# KiCad board edc-mux-board-fpga-main.kicad_pcb (continued)
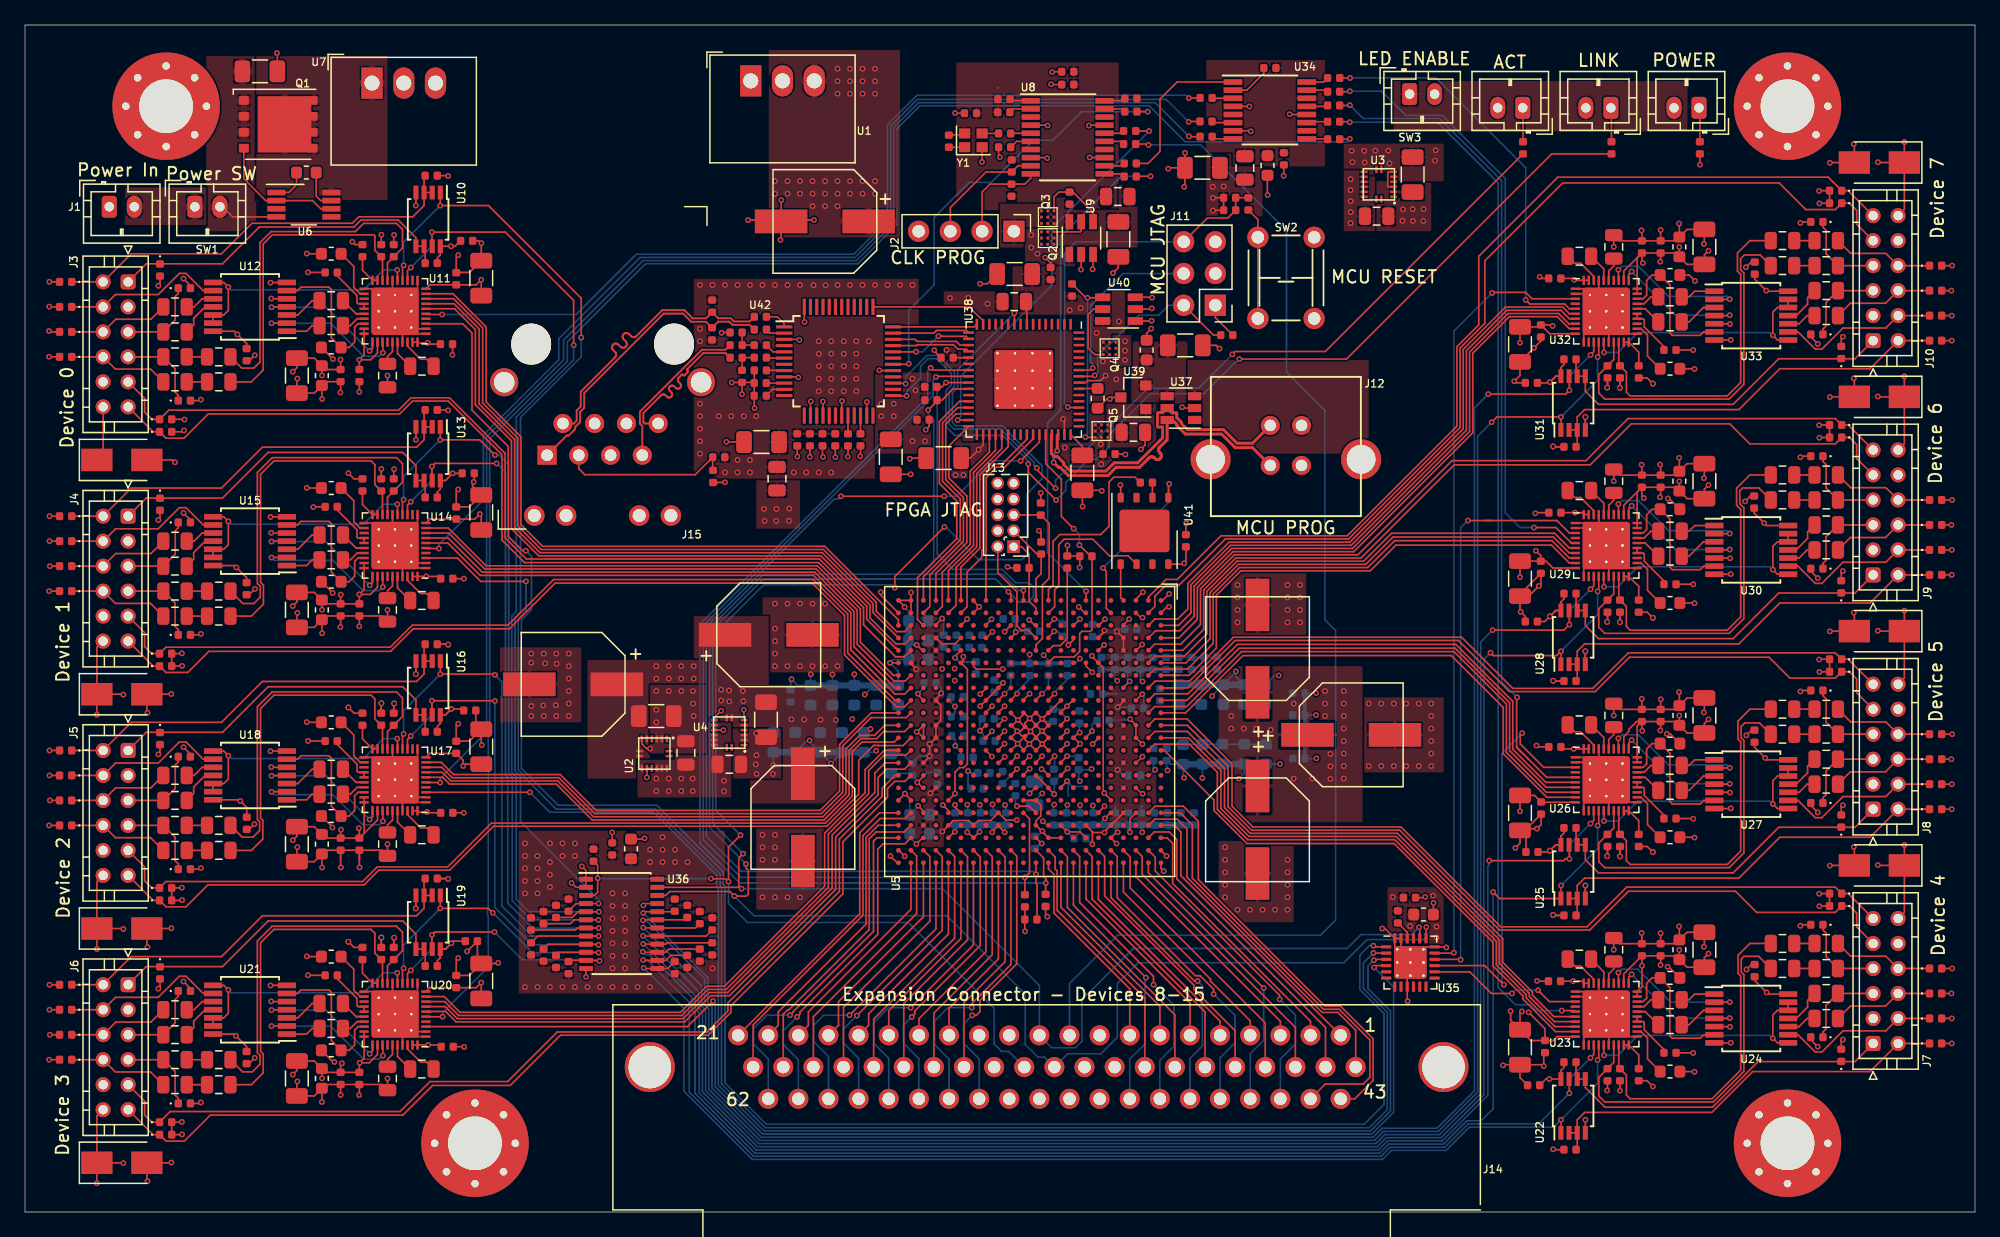
[diagram p0: board, top side]
## Placement (name value [footprint] x y rotation side) (continued)
D44  30pF 30kV  [D_0402_1005Metric]  152.85 13.49 0 top
D45  12V_Vrso  [D_SMA]  148.35 27.74 180 top
D46  30pF 30kV  [D_0402_1005Metric]  144.85 25.49 180 top
D47  30pF 30kV  [D_0402_1005Metric]  143.35 22.99 180 top
D48  30pF 30kV  [D_0402_1005Metric]  143.35 13.99 180 top
D49  30pF 30kV  [D_0402_1005Metric]  144.85 24.49 180 top
D50  30pF 30kV  [D_0402_1005Metric]  145.3 12.54 90 top
D51  30pF 30kV  [D_0402_1005Metric]  152.85 34.24 0 top
D52  30pF 30kV  [D_0402_1005Metric]  152.85 36.24 0 top
D53  30pF 30kV  [D_0402_1005Metric]  152.85 38.24 0 top
D54  30pF 30kV  [D_0402_1005Metric]  152.85 32.24 0 top
D55  12V_Vrso  [D_SMA]  148.35 46.49 180 top
D56  30pF 30kV  [D_0402_1005Metric]  144.85 44.24 180 top
D57  30pF 30kV  [D_0402_1005Metric]  143.35 41.74 180 top
D58  30pF 30kV  [D_0402_1005Metric]  143.35 32.74 180 top
D59  30pF 30kV  [D_0402_1005Metric]  144.85 43.24 180 top
D60  30pF 30kV  [D_0402_1005Metric]  145.3 31.29 90 top
D61  30pF 30kV  [D_0402_1005Metric]  152.85 52.99 0 top
D62  30pF 30kV  [D_0402_1005Metric]  152.85 54.99 0 top
D63  30pF 30kV  [D_0402_1005Metric]  152.85 56.99 0 top
D64  30pF 30kV  [D_0402_1005Metric]  152.85 50.99 0 top
D65  12V_Vrso  [D_SMA]  148.35 65.24 180 top
D66  30pF 30kV  [D_0402_1005Metric]  144.85 62.99 180 top
D67  30pF 30kV  [D_0402_1005Metric]  143.35 60.49 180 top
D68  30pF 30kV  [D_0402_1005Metric]  143.35 51.49 180 top
D69  30pF 30kV  [D_0402_1005Metric]  144.85 61.99 180 top
D70  30pF 30kV  [D_0402_1005Metric]  145.3 50.04 90 top
D71  30pF 30kV  [D_0402_1005Metric]  152.85 71.74 0 top
D72  30pF 30kV  [D_0402_1005Metric]  152.85 73.74 0 top
D73  30pF 30kV  [D_0402_1005Metric]  152.85 75.74 0 top
D74  30pF 30kV  [D_0402_1005Metric]  152.85 69.74 0 top
D75  12V_Vrso  [D_SMA]  148.35 83.99 180 top
D76  30pF 30kV  [D_0402_1005Metric]  144.85 81.74 180 top
D77  30pF 30kV  [D_0402_1005Metric]  143.35 79.24 180 top
D78  30pF 30kV  [D_0402_1005Metric]  143.35 70.24 180 top
D79  30pF 30kV  [D_0402_1005Metric]  144.85 80.74 180 top
D80  30pF 30kV  [D_0402_1005Metric]  145.3 68.79 90 top
D81  LINK_GRN  [JST_PH_B2B-PH-K_1x02_P2.00mm_Vertical]  126.87 88.37 180 top
D82  ACT_YLW  [JST_PH_B2B-PH-K_1x02_P2.00mm_Vertical]  119.82 88.37 180 top
D83  PWR_RED  [JST_PH_B2B-PH-K_1x02_P2.00mm_Vertical]  133.92 88.37 180 top
FB1  600Ω @ 100MHz  [L_0805_2012Metric]  80.77 33.5 270 bottom
FB2  600Ω @ 100MHz  [L_0805_2012Metric]  87.42 81.27 180 top
FB3  600Ω @ 100MHz  [L_0805_2012Metric]  12 72.44 0 top
FB4  600Ω @ 100MHz  [L_0805_2012Metric]  12 66.44 0 top
FB5  600Ω @ 100MHz  [L_0805_2012Metric]  12 68.44 180 top
FB6  600Ω @ 100MHz  [L_0805_2012Metric]  12 70.44 180 top
FB7  220Ω/2A  [L_0603_1608Metric]  24.5 69.19 180 top
FB8  600Ω @ 100MHz  [L_0805_2012Metric]  12 53.69 0 top
FB9  600Ω @ 100MHz  [L_0805_2012Metric]  12 47.69 0 top
FB10  600Ω @ 100MHz  [L_0805_2012Metric]  12 49.69 180 top
FB11  600Ω @ 100MHz  [L_0805_2012Metric]  12 51.69 180 top
FB12  220Ω/2A  [L_0603_1608Metric]  24.5 50.44 180 top
FB13  600Ω @ 100MHz  [L_0805_2012Metric]  12 34.94 0 top
FB14  600Ω @ 100MHz  [L_0805_2012Metric]  12 28.94 0 top
FB15  600Ω @ 100MHz  [L_0805_2012Metric]  12 30.94 180 top
FB16  600Ω @ 100MHz  [L_0805_2012Metric]  12 32.94 180 top
FB17  220Ω/2A  [L_0603_1608Metric]  24.5 31.69 180 top
FB18  600Ω @ 100MHz  [L_0805_2012Metric]  12 16.19 0 top
FB19  600Ω @ 100MHz  [L_0805_2012Metric]  12 10.19 0 top
FB20  600Ω @ 100MHz  [L_0805_2012Metric]  12 12.19 180 top
FB21  600Ω @ 100MHz  [L_0805_2012Metric]  12 14.19 180 top
FB22  220Ω/2A  [L_0603_1608Metric]  24.5 12.94 180 top
FB23  600Ω @ 100MHz  [L_0805_2012Metric]  144.1 15.49 180 top
FB24  600Ω @ 100MHz  [L_0805_2012Metric]  144.1 21.49 180 top
FB25  600Ω @ 100MHz  [L_0805_2012Metric]  144.1 19.49 0 top
FB26  600Ω @ 100MHz  [L_0805_2012Metric]  144.1 17.49 0 top
FB27  220Ω/2A  [L_0603_1608Metric]  131.6 18.74 0 top
FB28  600Ω @ 100MHz  [L_0805_2012Metric]  144.1 34.24 180 top
FB29  600Ω @ 100MHz  [L_0805_2012Metric]  144.1 40.24 180 top
FB30  600Ω @ 100MHz  [L_0805_2012Metric]  144.1 38.24 0 top
FB31  600Ω @ 100MHz  [L_0805_2012Metric]  144.1 36.24 0 top
FB32  220Ω/2A  [L_0603_1608Metric]  131.6 37.49 0 top
FB33  600Ω @ 100MHz  [L_0805_2012Metric]  144.1 52.99 180 top
FB34  600Ω @ 100MHz  [L_0805_2012Metric]  144.1 58.99 180 top
FB35  600Ω @ 100MHz  [L_0805_2012Metric]  144.1 56.99 0 top
FB36  600Ω @ 100MHz  [L_0805_2012Metric]  144.1 54.99 0 top
FB37  220Ω/2A  [L_0603_1608Metric]  131.6 56.24 0 top
FB38  600Ω @ 100MHz  [L_0805_2012Metric]  144.1 71.74 180 top
FB39  600Ω @ 100MHz  [L_0805_2012Metric]  144.1 77.74 180 top
FB40  600Ω @ 100MHz  [L_0805_2012Metric]  144.1 75.74 0 top
FB41  600Ω @ 100MHz  [L_0805_2012Metric]  144.1 73.74 0 top
FB42  220Ω/2A  [L_0603_1608Metric]  131.6 74.99 0 top
FB43  600Ω @ 100MHz  [L_0805_2012Metric]  97.59 83.56 270 top
FB44  600Ω @ 100MHz  [L_0805_2012Metric]  79.14 72.86 180 top
FB45  600Ω @ 100MHz  [L_0805_2012Metric]  60.16 58.69 270 top
H1  MountingHole_Pad  [MountingHole_4.3mm_M4_Pad_Via]  11.29 88.5 0 top
H2  MountingHole_Pad  [MountingHole_4.3mm_M4_Pad_Via]  36 5.5 0 top
H3  MountingHole_Pad  [MountingHole_4.3mm_M4_Pad_Via]  141 88.5 0 top
H4  MountingHole_Pad  [MountingHole_4.3mm_M4_Pad_Via]  141 5.5 0 top
J1  Power In  [JST_PH_B2B-PH-K_1x02_P2.00mm_Vertical]  6.74 80.45 0 top
J2  OSC_PRG_HDR  [PinHeader_1x04_P2.54mm_Vertical]  79.11 78.49 270 top
J3  Device  [JST_PHD_B12B-PHDSS_2x06_P2.00mm_Vertical]  8.25 74.44 270 top
J4  Device  [JST_PHD_B12B-PHDSS_2x06_P2.00mm_Vertical]  8.25 55.69 270 top
J5  Device  [JST_PHD_B12B-PHDSS_2x06_P2.00mm_Vertical]  8.25 36.94 270 top
J6  Device  [JST_PHD_B12B-PHDSS_2x06_P2.00mm_Vertical]  8.25 18.19 270 top
J7  Device  [JST_PHD_B12B-PHDSS_2x06_P2.00mm_Vertical]  147.85 13.49 90 top
J8  Device  [JST_PHD_B12B-PHDSS_2x06_P2.00mm_Vertical]  147.85 32.24 90 top
J9  Device  [JST_PHD_B12B-PHDSS_2x06_P2.00mm_Vertical]  147.85 50.99 90 top
J10  Device  [JST_PHD_B12B-PHDSS_2x06_P2.00mm_Vertical]  147.85 69.74 90 top
J11  PRG/SWD  [PinHeader_2x03_P2.54mm_Vertical]  95.23 72.57 180 top
J12  USB PRG  [UJ2-BV-1-TH]  100.87 61.35 0 top
J13  FPGA_JTAG  [PinHeader_2x05_P1.27mm_Vertical]  79.09 53.25 180 top
J14  DC-62F  [09564525612]  81.73 11.6 180 top
J15  RJ45_Magnetics_100BaseTX_No_LEDS  [J1_Series_RJ45]  46.21 69.46 180 top
Q1  CSD18501Q5A  [TDSON-8-1]  20.26 87.05 0 top
Q2  CSD22206W  [DSBGA9]  81.82 77.94 270 top
Q3  CSD22206W  [DSBGA9]  81.82 79.62 270 top
Q4  CSD22206W  [DSBGA9]  86.77 69.12 90 top
Q5  CSD22206W  [DSBGA9]  86.12 62.5 90 top
R1  1kΩ  [R_0402_1005Metric]  73.91 85.7 270 top
R2  0Ω  [R_0402_1005Metric]  78.37 86.32 180 top
R3  1kΩ  [R_0402_1005Metric]  78.37 85.22 180 top
R4  1kΩ  [R_0402_1005Metric]  78.32 89.07 180 top
R5  1kΩ  [R_0402_1005Metric]  78.31 88.02 0 top
R6  10kΩ  [R_0402_1005Metric]  78.94 83.72 270 top
R7  10kΩ  [R_0402_1005Metric]  78.92 81.78 90 top
R8  470kΩ  [R_0402_1005Metric]  83.57 81.15 270 top
R9  4.99Ω 0.1%  [R_0402_1005Metric]  88.42 82.87 180 top
R10  4.99Ω 0.1%  [R_0402_1005Metric]  88.42 83.92 180 top
R11  4.99Ω 0.1%  [R_0402_1005Metric]  88.37 85.47 180 top
R12  4.99Ω 0.1%  [R_0402_1005Metric]  88.37 86.52 180 top
R13  4.99Ω 0.1%  [R_0402_1005Metric]  88.47 88.07 180 top
R14  4.99Ω 0.1%  [R_0402_1005Metric]  88.47 89.12 180 top
R15  750Ω  [R_0402_1005Metric]  32.5 75.94 180 top
R16  750Ω  [R_0402_1005Metric]  32.5 82.94 180 top
R17  750Ω  [R_0402_1005Metric]  32.5 57.19 180 top
R18  750Ω  [R_0402_1005Metric]  32.5 64.19 180 top
R19  750Ω  [R_0402_1005Metric]  32.5 38.44 180 top
R20  750Ω  [R_0402_1005Metric]  32.5 45.44 180 top
R21  750Ω  [R_0402_1005Metric]  32.5 19.69 180 top
R22  750Ω  [R_0402_1005Metric]  32.5 26.69 180 top
R23  750Ω  [R_0402_1005Metric]  123.6 11.99 0 top
R24  750Ω  [R_0402_1005Metric]  123.6 4.99 0 top
R25  750Ω  [R_0402_1005Metric]  123.6 30.74 0 top
R26  750Ω  [R_0402_1005Metric]  123.6 23.74 0 top
R27  750Ω  [R_0402_1005Metric]  123.6 49.49 0 top
R28  750Ω  [R_0402_1005Metric]  123.6 42.49 0 top
R29  750Ω  [R_0402_1005Metric]  123.6 68.24 0 top
R30  750Ω  [R_0402_1005Metric]  123.6 61.24 0 top
R31  10kΩ  [R_0402_1005Metric]  99.59 91.56 0 top
R32  10kΩ  [R_0402_1005Metric]  109.83 23.62 90 top
R33  4.99Ω 0.1%  [R_0402_1005Metric]  94.49 89.16 0 top
R34  4.99Ω 0.1%  [R_0402_1005Metric]  104.69 90.76 180 top
R35  4.99Ω 0.1%  [R_0402_1005Metric]  104.69 88.56 180 top
R36  4.99Ω 0.1%  [R_0402_1005Metric]  104.69 89.66 180 top
R37  4.99Ω 0.1%  [R_0402_1005Metric]  94.48 87.28 0 top
R38  4.99Ω 0.1%  [R_0402_1005Metric]  104.69 87.26 180 top
R39  4.99Ω 0.1%  [R_0402_1005Metric]  94.49 86.06 0 top
R40  4.99Ω 0.1%  [R_0402_1005Metric]  104.69 85.86 180 top
R41  10kΩ  [R_0402_1005Metric]  45.48 28.56 90 top
R42  10kΩ  [R_0402_1005Metric]  43.48 24.56 90 top
R43  10kΩ  [R_0402_1005Metric]  42.48 24.06 90 top
R44  10kΩ  [R_0402_1005Metric]  41.48 23.56 90 top
R45  10kΩ  [R_0402_1005Metric]  40.48 23.06 90 top
R46  10kΩ  [R_0402_1005Metric]  40.48 21.06 270 top
R47  10kΩ  [R_0402_1005Metric]  41.48 20.56 270 top
R48  10kΩ  [R_0402_1005Metric]  42.48 20.06 270 top
R49  10kΩ  [R_0402_1005Metric]  43.48 19.56 270 top
R50  10kΩ  [R_0402_1005Metric]  51.98 19.56 270 top
R51  10kΩ  [R_0402_1005Metric]  52.98 20.06 270 top
R52  10kΩ  [R_0402_1005Metric]  53.98 20.56 270 top
R53  10kΩ  [R_0402_1005Metric]  54.98 21.06 270 top
R54  10kΩ  [R_0402_1005Metric]  54.98 23.06 90 top
R55  10kΩ  [R_0402_1005Metric]  53.98 23.56 90 top
R56  10kΩ  [R_0402_1005Metric]  52.98 24.06 90 top
R57  10kΩ  [R_0402_1005Metric]  51.98 24.56 90 top
R58  10kΩ  [R_0402_1005Metric]  72.46 66.04 180 top
R59  10kΩ  [R_0402_1005Metric]  72.47 64.97 180 top
R60  1kΩ  [R_0402_1005Metric]  96.14 70.18 0 top
R61  2k2Ω  [R_0402_1005Metric]  96.37 81.18 180 top
R62  330Ω  [R_0402_1005Metric]  97.87 80.68 90 top
R63  470kΩ  [R_0402_1005Metric]  83.76 73.79 270 top
R64  25Ω  [R_0402_1005Metric]  89.71 58.38 0 top
R65  10kΩ  [R_0402_1005Metric]  84.87 52.48 180 top
R66  10kΩ  [R_0402_1005Metric]  83.38 52.02 90 top
R67  1kΩ  [R_0402_1005Metric]  79.84 51.55 0 top
R68  10kΩ  [R_0402_1005Metric]  79.99 24.91 270 top
R69  10kΩ  [R_0402_1005Metric]  81.65 24.94 270 top
R70  10kΩ  [R_0402_1005Metric]  80.47 23.41 180 top
R71  10kΩ  [R_0402_1005Metric]  81.26 56.26 90 top
R72  10kΩ  [R_0402_1005Metric]  81.29 53.14 90 top
R73  12.4Ω 1%  [R_0402_1005Metric]  58.82 66.34 0 top
R74  0Ω  [R_0402_1005Metric]  58.83 71.65 0 top
R75  0Ω  [R_0402_1005Metric]  58.83 70.62 0 top
R76  0Ω  [R_0402_1005Metric]  58.83 69.38 0 top
R77  0Ω  [R_0402_1005Metric]  58.83 68.38 0 top
R78  82Ω 1%  [R_0402_1005Metric]  57.36 66.88 90 top
R79  49.9Ω 1%  [R_0402_1005Metric]  54.97 72.5 90 top
R80  82Ω 1%  [R_0402_1005Metric]  56.89 70.39 0 top
R81  49.9Ω 1%  [R_0402_1005Metric]  54.96 70.28 270 top
R82  10Ω 1%  [R_0402_1005Metric]  55.5 60.41 0 top
R83  330Ω  [R_0402_1005Metric]  126.92 85.17 270 top
R84  330Ω  [R_0402_1005Metric]  119.84 85.17 270 top
R85  330Ω  [R_0402_1005Metric]  133.99 85.17 270 top
SW1  Power Switch  [JST_PH_B2B-PH-K_1x02_P2.00mm_Vertical]  13.59 80.45 0 top
SW2  Reset (Microprocessor)  [TL1105]  100.88 74.76 180 top
SW3  LED_EN  [JST_PH_B2B-PH-K_1x02_P2.00mm_Vertical]  110.77 89.47 0 top
U1  R-78B3.3-2.0  [Converter_DCDC_RECOM_R-78B-2.0_THT]  58.06 90.53 0 top
U2  EP5358HUI  [ENPIRION_QFN16_2.5x2.25x1.1mm-0.4mm]  50.35 36.69 270 top
U3  EP5358HUI  [ENPIRION_QFN16_2.5x2.25x1.1mm-0.4mm]  108.31 82.25 180 top
U4  EP5358LUI  [ENPIRION_QFN16_2.5x2.25x1.1mm-0.4mm]  56.34 38.37 180 top
U5  10CL040YF484I7G  [FBGA-484_23.0x23.0mm_Layout22x22_P1.0mm]  80.38 38.45 270 top
U6  LM74610-Q1  [VSSOP-8_3.0x3.0mm_P0.65mm]  22.31 80.62 0 top
U7  R-78B12-2.0  [Converter_DCDC_RECOM_R-78B-2.0_THT]  27.76 90.35 0 top
U8  CDCE706  [TSSOP-20_4.4x6.5mm_P0.65mm]  83.41 86.01 0 top
U9  LTC4412  [TSOT-23-6]  84.5 77.94 90 top
U10  P82B96  [TSSOP-8_3x3mm_P0.65mm]  32.25 79.44 270 top
U11  TLV320AIC3206  [UQFN-40-1EP_5x5mm_P0.4mm_EP3.8x3.8mm_ThermalVias]  29.6 72.09 180 top
U12  FSA2367  [TSSOP-14_4.4x5mm_P0.65mm]  18 72.44 180 top
U13  P82B96  [TSSOP-8_3x3mm_P0.65mm]  32.25 60.69 270 top
U14  TLV320AIC3206  [UQFN-40-1EP_5x5mm_P0.4mm_EP3.8x3.8mm_ThermalVias]  29.6 53.34 180 top
U15  FSA2367  [TSSOP-14_4.4x5mm_P0.65mm]  18 53.69 180 top
U16  P82B96  [TSSOP-8_3x3mm_P0.65mm]  32.25 41.94 270 top
U17  TLV320AIC3206  [UQFN-40-1EP_5x5mm_P0.4mm_EP3.8x3.8mm_ThermalVias]  29.6 34.59 180 top
U18  FSA2367  [TSSOP-14_4.4x5mm_P0.65mm]  18 34.94 180 top
U19  P82B96  [TSSOP-8_3x3mm_P0.65mm]  32.25 23.19 270 top
U20  TLV320AIC3206  [UQFN-40-1EP_5x5mm_P0.4mm_EP3.8x3.8mm_ThermalVias]  29.6 15.84 180 top
U21  FSA2367  [TSSOP-14_4.4x5mm_P0.65mm]  18 16.19 180 top
U22  P82B96  [TSSOP-8_3x3mm_P0.65mm]  123.85 8.49 90 top
U23  TLV320AIC3206  [UQFN-40-1EP_5x5mm_P0.4mm_EP3.8x3.8mm_ThermalVias]  126.5 15.84 0 top
U24  FSA2367  [TSSOP-14_4.4x5mm_P0.65mm]  138.1 15.49 0 top
U25  P82B96  [TSSOP-8_3x3mm_P0.65mm]  123.85 27.24 90 top
U26  TLV320AIC3206  [UQFN-40-1EP_5x5mm_P0.4mm_EP3.8x3.8mm_ThermalVias]  126.5 34.59 0 top
U27  FSA2367  [TSSOP-14_4.4x5mm_P0.65mm]  138.1 34.24 0 top
U28  P82B96  [TSSOP-8_3x3mm_P0.65mm]  123.85 45.99 90 top
U29  TLV320AIC3206  [UQFN-40-1EP_5x5mm_P0.4mm_EP3.8x3.8mm_ThermalVias]  126.5 53.34 0 top
U30  FSA2367  [TSSOP-14_4.4x5mm_P0.65mm]  138.1 52.99 0 top
U31  P82B96  [TSSOP-8_3x3mm_P0.65mm]  123.85 64.74 90 top
U32  TLV320AIC3206  [UQFN-40-1EP_5x5mm_P0.4mm_EP3.8x3.8mm_ThermalVias]  126.5 72.09 0 top
U33  FSA2367  [TSSOP-14_4.4x5mm_P0.65mm]  138.1 71.74 0 top
U34  CDCLVC1108  [TSSOP-16_4.4x5mm_P0.65mm]  99.59 88.16 0 top
U35  TCA9555RTWR  [QFN-24-1EP_4x4mm_P0.5mm_EP2.6x2.6mm_ThermalVias]  110.83 19.97 0 top
U36  TCA9548A  [TSSOP-24_4.4x7.8mm_P0.65mm]  47.73 23.06 0 top
U37  TPD3S014  [SOT-23-6]  92.47 64.34 180 top
U38  SAMD21JXXAM  [QFN-64-1EP_9x9mm_P0.5mm_EP4.7x4.7mm_ThermalVias]  79.9 66.63 270 top
U39  MCP1812  [SOT-23]  88.66 65.2 180 top
U40  LTC4412  [TSOT-23-6]  87.52 72.26 180 top
U41  S25FL128L  [WSON-8-1EP_6x5mm_P1.27mm_EP3.4x4mm]  89.56 54.51 270 top
U42  W5500  [TQFP-48_7x7mm_P0.5mm]  65.09 68.09 0 top
Y1  SiT1602BI-71-33E-48.000000  [Crystal_SMD_2016-4Pin_2.0x1.6mm]  75.87 85.77 0 top

## Footprints (pads in the part's own frame, mm; a bottom-side part is the same pattern mirrored in y, then rotated)
09564525612
  round 1.6 hole 1: 1(-23.52,-2.54) 2(-21.11,-2.54) 3(-18.7,-2.54) 4(-16.29,-2.54) 5(-13.88,-2.54) 6(-11.47,-2.54) 7(-9.06,-2.54) 8(-6.65,-2.54) 9(-4.24,-2.54) 10(-1.83,-2.54) 11(0.58,-2.54) 12(2.99,-2.54) 13(5.4,-2.54) 14(7.81,-2.54) 15(10.22,-2.54) 16(12.63,-2.54) 17(15.04,-2.54) 18(17.45,-2.54) 19(19.86,-2.54) 20(22.27,-2.54) 21(24.68,-2.54) 22(-24.72,0) 23(-22.31,0) 24(-19.9,0) 25(-17.49,0) 26(-15.08,0) 27(-12.67,0) 28(-10.26,0) 29(-7.85,0) 30(-5.44,0) 31(-3.03,0) 32(-0.62,0) 33(1.79,0) 34(4.2,0) 35(6.61,0) 36(9.02,0) 37(11.43,0) 38(13.84,0) 39(16.25,0) 40(18.66,0) 41(21.07,0) 42(23.48,0) 43(-23.52,2.54) 44(-21.11,2.54) 45(-18.7,2.54) 46(-16.29,2.54) 47(-13.88,2.54) 48(-11.47,2.54) 49(-9.06,2.54) 50(-6.65,2.54) 51(-4.24,2.54) 52(-1.83,2.54) 53(0.58,2.54) 54(2.99,2.54) 55(5.4,2.54) 56(7.81,2.54) 57(10.22,2.54) 58(12.63,2.54) 59(15.04,2.54) 60(17.45,2.54) 61(19.86,2.54) 62(22.27,2.54)
  round 4 hole 3.4: SLD(-31.75,0) SLD(31.75,0)
C_0402_1005Metric
  rrect 0.59x0.64 smd: 1(-0.485,0) 2(0.485,0)
C_0603_1608Metric
  rrect 0.875x0.95 smd: 1(-0.787,0) 2(0.787,0)
C_0805_2012Metric
  rrect 0.975x1.4 smd: 1(-0.938,0) 2(0.938,0)
C_1206_3216Metric
  rrect 1.25x1.75 smd: 1(-1.4,0) 2(1.4,0)
Converter_DCDC_RECOM_R-78B-2.0_THT
  rect 1.7x2.5 hole 1.2: 1(0,0)
  oval 1.7x2.5 hole 1.2: 2(2.54,0) 3(5.08,0)
CP_ELEC_8.3x8.3x11.7mm_SMD
  rect 4.2x1.9 smd: 1(-3.5,0) 2(3.5,0)
Crystal_SMD_2016-4Pin_2.0x1.6mm
  rect 0.9x0.8 smd: 1(-0.7,-0.55) 2(0.7,-0.55) 3(0.7,0.55) 4(-0.7,0.55)
D_0402_1005Metric
  rrect 0.59x0.64 smd: 1(-0.485,0) 2(0.485,0)
D_SMA
  rect 2.5x1.8 smd: 1(-2,0) 2(2,0)
DSBGA9
  round 0.245 smd: A1(-0.5,0.5) A2(0,0.5) A3(0.5,0.5) B1(-0.5,0) B2(0,0) B3(0.5,0) C1(-0.5,-0.5) C2(0,-0.5) C3(0.5,-0.5)
ENPIRION_QFN16_2.5x2.25x1.1mm-0.4mm
  rect 0.55x0.2 smd: 1(-1.175,1) 2(-1.175,0.6) 3(-1.175,0.2) 4(-1.175,-0.2) 5(-1.175,-0.6) 6(-1.175,-1) 9(1.175,-1) 10(1.175,-0.6) 11(1.175,-0.2) 12(1.175,0.2) 13(1.175,0.6) 14(1.175,1)
  rect 0.2x0.55 smd: 7(-0.2,-1.175) 8(0.2,-1.175) 15(0.2,1.175) 16(-0.2,1.175)
FBGA-484_23.0x23.0mm_Layout22x22_P1.0mm
  round 0.38 smd: A1(-10.5,10.5) A2(-9.5,10.5) A3(-8.5,10.5) A4(-7.5,10.5) A5(-6.5,10.5) A6(-5.5,10.5) A7(-4.5,10.5) A8(-3.5,10.5) A9(-2.5,10.5) A10(-1.5,10.5) A11(-0.5,10.5) A12(0.5,10.5) A13(1.5,10.5) A14(2.5,10.5) A15(3.5,10.5) A16(4.5,10.5) A17(5.5,10.5) A18(6.5,10.5) A19(7.5,10.5) A20(8.5,10.5) A21(9.5,10.5) A22(10.5,10.5) AA1(-10.5,-9.5) AA2(-9.5,-9.5) AA3(-8.5,-9.5) AA4(-7.5,-9.5) AA5(-6.5,-9.5) AA6(-5.5,-9.5) AA7(-4.5,-9.5) AA8(-3.5,-9.5) AA9(-2.5,-9.5) AA10(-1.5,-9.5) AA11(-0.5,-9.5) AA12(0.5,-9.5) AA13(1.5,-9.5) AA14(2.5,-9.5) AA15(3.5,-9.5) AA16(4.5,-9.5) AA17(5.5,-9.5) AA18(6.5,-9.5) AA19(7.5,-9.5) AA20(8.5,-9.5) AA21(9.5,-9.5) AA22(10.5,-9.5) AB1(-10.5,-10.5) AB2(-9.5,-10.5) AB3(-8.5,-10.5) AB4(-7.5,-10.5) AB5(-6.5,-10.5) AB6(-5.5,-10.5) AB7(-4.5,-10.5) AB8(-3.5,-10.5) AB9(-2.5,-10.5) AB10(-1.5,-10.5) AB11(-0.5,-10.5) AB12(0.5,-10.5) AB13(1.5,-10.5) AB14(2.5,-10.5) AB15(3.5,-10.5) AB16(4.5,-10.5) AB17(5.5,-10.5) AB18(6.5,-10.5) AB19(7.5,-10.5) AB20(8.5,-10.5) AB21(9.5,-10.5) AB22(10.5,-10.5) B1(-10.5,9.5) B2(-9.5,9.5) B3(-8.5,9.5) B4(-7.5,9.5) B5(-6.5,9.5) B6(-5.5,9.5) B7(-4.5,9.5) B8(-3.5,9.5) B9(-2.5,9.5) B10(-1.5,9.5) B11(-0.5,9.5) B12(0.5,9.5) B13(1.5,9.5) B14(2.5,9.5) B15(3.5,9.5) B16(4.5,9.5) B17(5.5,9.5) B18(6.5,9.5) B19(7.5,9.5) B20(8.5,9.5) B21(9.5,9.5) B22(10.5,9.5) C1(-10.5,8.5) C2(-9.5,8.5) C3(-8.5,8.5) C4(-7.5,8.5) C5(-6.5,8.5) C6(-5.5,8.5) C7(-4.5,8.5) C8(-3.5,8.5) C9(-2.5,8.5) C10(-1.5,8.5) C11(-0.5,8.5) C12(0.5,8.5) C13(1.5,8.5) C14(2.5,8.5) C15(3.5,8.5) C16(4.5,8.5) C17(5.5,8.5) C18(6.5,8.5) C19(7.5,8.5) C20(8.5,8.5) C21(9.5,8.5) C22(10.5,8.5) D1(-10.5,7.5) D2(-9.5,7.5) D3(-8.5,7.5) D4(-7.5,7.5) D5(-6.5,7.5) D6(-5.5,7.5) D7(-4.5,7.5) D8(-3.5,7.5) D9(-2.5,7.5) D10(-1.5,7.5) D11(-0.5,7.5) D12(0.5,7.5) D13(1.5,7.5) D14(2.5,7.5) D15(3.5,7.5) D16(4.5,7.5) D17(5.5,7.5) D18(6.5,7.5) D19(7.5,7.5) D20(8.5,7.5) D21(9.5,7.5) D22(10.5,7.5) E1(-10.5,6.5) E2(-9.5,6.5) E3(-8.5,6.5) E4(-7.5,6.5) E5(-6.5,6.5) E6(-5.5,6.5) E7(-4.5,6.5) E8(-3.5,6.5) E9(-2.5,6.5) E10(-1.5,6.5) E11(-0.5,6.5) E12(0.5,6.5) E13(1.5,6.5) E14(2.5,6.5) E15(3.5,6.5) E16(4.5,6.5) E17(5.5,6.5) E18(6.5,6.5) E19(7.5,6.5) E20(8.5,6.5) E21(9.5,6.5) E22(10.5,6.5) F1(-10.5,5.5) F2(-9.5,5.5) F3(-8.5,5.5) F4(-7.5,5.5) F5(-6.5,5.5) F6(-5.5,5.5) F7(-4.5,5.5) F8(-3.5,5.5) F9(-2.5,5.5) F10(-1.5,5.5) F11(-0.5,5.5) F12(0.5,5.5) F13(1.5,5.5) F14(2.5,5.5) F15(3.5,5.5) F16(4.5,5.5) F17(5.5,5.5) F18(6.5,5.5) F19(7.5,5.5) F20(8.5,5.5) F21(9.5,5.5) F22(10.5,5.5) G1(-10.5,4.5) G2(-9.5,4.5) G3(-8.5,4.5) G4(-7.5,4.5) G5(-6.5,4.5) G6(-5.5,4.5) G7(-4.5,4.5) G8(-3.5,4.5) G9(-2.5,4.5) G10(-1.5,4.5) G11(-0.5,4.5) G12(0.5,4.5) G13(1.5,4.5) G14(2.5,4.5) G15(3.5,4.5) G16(4.5,4.5) G17(5.5,4.5) G18(6.5,4.5) G19(7.5,4.5) G20(8.5,4.5) G21(9.5,4.5) G22(10.5,4.5) H1(-10.5,3.5) H2(-9.5,3.5) H3(-8.5,3.5) H4(-7.5,3.5) H5(-6.5,3.5) H6(-5.5,3.5) H7(-4.5,3.5) H8(-3.5,3.5) H9(-2.5,3.5) H10(-1.5,3.5) H11(-0.5,3.5) H12(0.5,3.5) H13(1.5,3.5) H14(2.5,3.5) H15(3.5,3.5) H16(4.5,3.5) H17(5.5,3.5) H18(6.5,3.5) H19(7.5,3.5) H20(8.5,3.5) H21(9.5,3.5) H22(10.5,3.5) J1(-10.5,2.5) J2(-9.5,2.5) J3(-8.5,2.5) J4(-7.5,2.5) J5(-6.5,2.5) J6(-5.5,2.5) J7(-4.5,2.5) J8(-3.5,2.5) J9(-2.5,2.5) J10(-1.5,2.5) J11(-0.5,2.5) J12(0.5,2.5) J13(1.5,2.5) J14(2.5,2.5) J15(3.5,2.5) J16(4.5,2.5) J17(5.5,2.5) J18(6.5,2.5) J19(7.5,2.5) J20(8.5,2.5) J21(9.5,2.5) J22(10.5,2.5) K1(-10.5,1.5) K2(-9.5,1.5) K3(-8.5,1.5) K4(-7.5,1.5) K5(-6.5,1.5) K6(-5.5,1.5) K7(-4.5,1.5) K8(-3.5,1.5) K9(-2.5,1.5) K10(-1.5,1.5) K11(-0.5,1.5) K12(0.5,1.5) K13(1.5,1.5) K14(2.5,1.5) K15(3.5,1.5) K16(4.5,1.5) K17(5.5,1.5) K18(6.5,1.5) K19(7.5,1.5) K20(8.5,1.5) K21(9.5,1.5) K22(10.5,1.5) L1(-10.5,0.5) L2(-9.5,0.5) L3(-8.5,0.5) L4(-7.5,0.5) L5(-6.5,0.5) L6(-5.5,0.5) L7(-4.5,0.5) L8(-3.5,0.5) L9(-2.5,0.5) L10(-1.5,0.5) L11(-0.5,0.5) L12(0.5,0.5) L13(1.5,0.5) L14(2.5,0.5) L15(3.5,0.5) L16(4.5,0.5) L17(5.5,0.5) L18(6.5,0.5) L19(7.5,0.5) L20(8.5,0.5) L21(9.5,0.5) L22(10.5,0.5) M1(-10.5,-0.5) M2(-9.5,-0.5) M3(-8.5,-0.5) M4(-7.5,-0.5) M5(-6.5,-0.5) M6(-5.5,-0.5) M7(-4.5,-0.5) M8(-3.5,-0.5) M9(-2.5,-0.5) M10(-1.5,-0.5) M11(-0.38,-0.38) M12(0.38,-0.38) M13(1.5,-0.5) M14(2.5,-0.5) M15(3.5,-0.5) M16(4.5,-0.5) M17(5.5,-0.5) M18(6.5,-0.5) M19(7.5,-0.5) M20(8.5,-0.5) M21(9.5,-0.5) M22(10.5,-0.5) N1(-10.5,-1.5) N2(-9.5,-1.5) N3(-8.5,-1.5) N4(-7.5,-1.5) N5(-6.5,-1.5) N6(-5.5,-1.5) N7(-4.5,-1.5) N8(-3.5,-1.5) N9(-2.5,-1.5) N10(-1.5,-1.5) N11(-0.5,-1.5) N12(0.5,-1.5) N13(1.5,-1.5) N14(2.5,-1.5) N15(3.5,-1.5) N16(4.5,-1.5) N17(5.5,-1.5) N18(6.5,-1.5) N19(7.5,-1.5) N20(8.5,-1.5) N21(9.5,-1.5) N22(10.5,-1.5) P1(-10.5,-2.5) P2(-9.5,-2.5) P3(-8.5,-2.5) P4(-7.5,-2.5) P5(-6.5,-2.5) P6(-5.5,-2.5) P7(-4.5,-2.5) P8(-3.5,-2.5) P9(-2.5,-2.5) P10(-1.5,-2.5) P11(-0.5,-2.5) P12(0.5,-2.5) P13(1.5,-2.5) P14(2.5,-2.5) P15(3.5,-2.5) P16(4.5,-2.5) P17(5.5,-2.5) P18(6.5,-2.5) P19(7.5,-2.5) P20(8.5,-2.5) P21(9.5,-2.5) P22(10.5,-2.5) R1(-10.5,-3.5) R2(-9.5,-3.5) R3(-8.5,-3.5) R4(-7.5,-3.5) R5(-6.5,-3.5) R6(-5.5,-3.5) R7(-4.5,-3.5) R8(-3.5,-3.5) R9(-2.5,-3.5) R10(-1.5,-3.5) R11(-0.5,-3.5) R12(0.5,-3.5) R13(1.5,-3.5) R14(2.5,-3.5) R15(3.5,-3.5) R16(4.5,-3.5) R17(5.5,-3.5) R18(6.5,-3.5) R19(7.5,-3.5) R20(8.5,-3.5) R21(9.5,-3.5) R22(10.5,-3.5) T1(-10.5,-4.5) T2(-9.5,-4.5) T3(-8.5,-4.5) T4(-7.5,-4.5) T5(-6.5,-4.5) T6(-5.5,-4.5) T7(-4.5,-4.5) T8(-3.5,-4.5) T9(-2.5,-4.5) T10(-1.5,-4.5) T11(-0.5,-4.5) T12(0.5,-4.5) T13(1.5,-4.5) T14(2.5,-4.5) T15(3.5,-4.5) T16(4.5,-4.5) T17(5.5,-4.5) T18(6.5,-4.5) T19(7.5,-4.5) T20(8.5,-4.5) T21(9.5,-4.5) T22(10.5,-4.5) U1(-10.5,-5.5) U2(-9.5,-5.5) U3(-8.5,-5.5) U4(-7.5,-5.5) U5(-6.5,-5.5) U6(-5.5,-5.5) U7(-4.5,-5.5) U8(-3.5,-5.5) U9(-2.5,-5.5) U10(-1.5,-5.5) U11(-0.5,-5.5) U12(0.5,-5.5) U13(1.5,-5.5) U14(2.5,-5.5) U15(3.5,-5.5) U16(4.5,-5.5) U17(5.5,-5.5) U18(6.5,-5.5) U19(7.5,-5.5) U20(8.5,-5.5) U21(9.5,-5.5) U22(10.5,-5.5) V1(-10.5,-6.5) V2(-9.5,-6.5) V3(-8.5,-6.5) V4(-7.5,-6.5) V5(-6.5,-6.5) V6(-5.5,-6.5) V7(-4.5,-6.5) V8(-3.5,-6.5) V9(-2.5,-6.5) V10(-1.5,-6.5) V11(-0.5,-6.5) V12(0.5,-6.5) V13(1.5,-6.5) V14(2.5,-6.5) V15(3.5,-6.5) V16(4.5,-6.5) V17(5.5,-6.5) V18(6.5,-6.5) V19(7.5,-6.5) V20(8.5,-6.5) V21(9.5,-6.5) V22(10.5,-6.5) W1(-10.5,-7.5) W2(-9.5,-7.5) W3(-8.5,-7.5) W4(-7.5,-7.5) W5(-6.5,-7.5) W6(-5.5,-7.5) W7(-4.5,-7.5) W8(-3.5,-7.5) W9(-2.5,-7.5) W10(-1.5,-7.5) W11(-0.5,-7.5) W12(0.5,-7.5) W13(1.5,-7.5) W14(2.5,-7.5) W15(3.5,-7.5) W16(4.5,-7.5) W17(5.5,-7.5) W18(6.5,-7.5) W19(7.5,-7.5) W20(8.5,-7.5) W21(9.5,-7.5) W22(10.5,-7.5) Y1(-10.5,-8.5) Y2(-9.5,-8.5) Y3(-8.5,-8.5) Y4(-7.5,-8.5) Y5(-6.5,-8.5) Y6(-5.5,-8.5) Y7(-4.5,-8.5) Y8(-3.5,-8.5) Y9(-2.5,-8.5) Y10(-1.5,-8.5) Y11(-0.5,-8.5) Y12(0.5,-8.5) Y13(1.5,-8.5) Y14(2.5,-8.5) Y15(3.5,-8.5) Y16(4.5,-8.5) Y17(5.5,-8.5) Y18(6.5,-8.5) Y19(7.5,-8.5) Y20(8.5,-8.5) Y21(9.5,-8.5) Y22(10.5,-8.5)
J1_Series_RJ45
  oval 3.18x3.28 hole 3.18x3.28 unplated: (-5.715,0) (5.715,0)
  rect 1.53x1.53 hole 0.93: 1(4.445,8.89)
  round 1.53 hole 0.93: 2(3.175,6.35) 3(1.905,8.89) 4(0.635,6.35) 5(-0.635,8.89) 6(-1.905,6.35) 7(-3.175,8.89) 8(-4.445,6.35)
  round 1.64 hole 1.04: 9(5.465,13.72) 10(2.925,13.72) 11(-2.925,13.72) 12(-5.465,13.72)
  round 2.25 hole 1.65: 13(-7.875,3.05) 14(7.875,3.05)
JST_PH_B2B-PH-K_1x02_P2.00mm_Vertical
  rrect 1.2x1.75 hole 0.75: 1(0,0)
  oval 1.2x1.75 hole 0.75: 2(2,0)
JST_PHD_B12B-PHDSS_2x06_P2.00mm_Vertical
  rrect 1.2x1.2 hole 0.75: 1(0,0)
  round 1.2 hole 0.75: 2(0,-2) 3(2,0) 4(2,-2) 5(4,0) 6(4,-2) 7(6,0) 8(6,-2) 9(8,0) 10(8,-2) 11(10,0) 12(10,-2)
L_0603_1608Metric
  rrect 0.875x0.95 smd: 1(-0.787,0) 2(0.787,0)
L_0805_2012Metric
  rrect 0.975x1.4 smd: 1(-0.938,0) 2(0.938,0)
MountingHole_4.3mm_M4_Pad_Via
  round 0.9 hole 0.6: 1(-3.225,0) 1(-2.28,2.28) 1(-2.28,-2.28) 1(0,3.225) 1(0,-3.225) 1(2.28,2.28) 1(2.28,-2.28) 1(3.225,0)
  round 8.6 hole 4.3: 1(0,0)
PinHeader_1x04_P2.54mm_Vertical
  rect 1.7x1.7 hole 1: 1(0,0)
  oval 1.7x1.7 hole 1: 2(0,-2.54) 3(0,-5.08) 4(0,-7.62)
PinHeader_2x03_P2.54mm_Vertical
  rect 1.7x1.7 hole 1: 1(0,0)
  oval 1.7x1.7 hole 1: 2(2.54,0) 3(0,-2.54) 4(2.54,-2.54) 5(0,-5.08) 6(2.54,-5.08)
PinHeader_2x05_P1.27mm_Vertical
  rect 1x1 hole 0.65: 1(0,0)
  oval 1x1 hole 0.65: 2(1.27,0) 3(0,-1.27) 4(1.27,-1.27) 5(0,-2.54) 6(1.27,-2.54) 7(0,-3.81) 8(1.27,-3.81) 9(0,-5.08) 10(1.27,-5.08)
QFN-24-1EP_4x4mm_P0.5mm_EP2.6x2.6mm_ThermalVias
  rrect 1.13x1.13 smd: (-0.65,0.65) (-0.65,-0.65) (0.65,0.65) (0.65,-0.65)
  rrect 0.825x0.25 smd: 1(-1.938,1.25) 2(-1.938,0.75) 3(-1.938,0.25) 4(-1.938,-0.25) 5(-1.938,-0.75) 6(-1.938,-1.25) 13(1.938,-1.25) 14(1.938,-0.75) 15(1.938,-0.25) 16(1.938,0.25) 17(1.938,0.75) 18(1.938,1.25)
  rrect 0.25x0.825 smd: 7(-1.25,-1.938) 8(-0.75,-1.938) 9(-0.25,-1.938) 10(0.25,-1.938) 11(0.75,-1.938) 12(1.25,-1.938) 19(1.25,1.938) 20(0.75,1.938) 21(0.25,1.938) 22(-0.25,1.938) 23(-0.75,1.938) 24(-1.25,1.938)
  round 0.5 hole 0.2: 25(-1.05,1.05) 25(-1.05,0) 25(-1.05,-1.05) 25(0,1.05) 25(0,0) 25(0,-1.05) 25(1.05,1.05) 25(1.05,0) 25(1.05,-1.05)
  rrect 2.6x2.6 smd: 25(0,0)
  rrect 2.6x2.6 smd far side: 25(0,0)
QFN-64-1EP_9x9mm_P0.5mm_EP4.7x4.7mm_ThermalVias
  rrect 1.263x1.263 smd: (-1.4,1.4) (-1.4,0) (-1.4,-1.4) (0,1.4) (0,0) (0,-1.4) (1.4,1.4) (1.4,0) (1.4,-1.4)
  rrect 0.875x0.2 smd: 1(-4.412,3.75) 2(-4.412,3.25) 3(-4.412,2.75) 4(-4.412,2.25) 5(-4.412,1.75) 6(-4.412,1.25) 7(-4.412,0.75) 8(-4.412,0.25) 9(-4.412,-0.25) 10(-4.412,-0.75) 11(-4.412,-1.25) 12(-4.412,-1.75) 13(-4.412,-2.25) 14(-4.412,-2.75) 15(-4.412,-3.25) 16(-4.412,-3.75) 33(4.412,-3.75) 34(4.412,-3.25) 35(4.412,-2.75) 36(4.412,-2.25) 37(4.412,-1.75) 38(4.412,-1.25) 39(4.412,-0.75) 40(4.412,-0.25) 41(4.412,0.25) 42(4.412,0.75) 43(4.412,1.25) 44(4.412,1.75) 45(4.412,2.25) 46(4.412,2.75) 47(4.412,3.25) 48(4.412,3.75)
  rrect 0.2x0.875 smd: 17(-3.75,-4.412) 18(-3.25,-4.412) 19(-2.75,-4.412) 20(-2.25,-4.412) 21(-1.75,-4.412) 22(-1.25,-4.412) 23(-0.75,-4.412) 24(-0.25,-4.412) 25(0.25,-4.412) 26(0.75,-4.412) 27(1.25,-4.412) 28(1.75,-4.412) 29(2.25,-4.412) 30(2.75,-4.412) 31(3.25,-4.412) 32(3.75,-4.412) 49(3.75,4.412) 50(3.25,4.412) 51(2.75,4.412) 52(2.25,4.412) 53(1.75,4.412) 54(1.25,4.412) 55(0.75,4.412) 56(0.25,4.412) 57(-0.25,4.412) 58(-0.75,4.412) 59(-1.25,4.412) 60(-1.75,4.412) 61(-2.25,4.412) 62(-2.75,4.412) 63(-3.25,4.412) 64(-3.75,4.412)
  round 0.5 hole 0.2: 65(-2.1,2.1) 65(-2.1,0.7) 65(-2.1,-0.7) 65(-2.1,-2.1) 65(-0.7,2.1) 65(-0.7,0.7) 65(-0.7,-0.7) 65(-0.7,-2.1) 65(0.7,2.1) 65(0.7,0.7) 65(0.7,-0.7) 65(0.7,-2.1) 65(2.1,2.1) 65(2.1,0.7) 65(2.1,-0.7) 65(2.1,-2.1)
  rrect 4.7x4.7 smd: 65(0,0)
  rrect 4.7x4.7 smd far side: 65(0,0)
R_0402_1005Metric
  rrect 0.59x0.64 smd: 1(-0.485,0) 2(0.485,0)
SOT-23
  rect 0.9x0.8 smd: 1(-1,0.95) 2(-1,-0.95) 3(1,0)
SOT-23-6
  rect 1.06x0.65 smd: 1(-1.1,0.95) 2(-1.1,0) 3(-1.1,-0.95) 4(1.1,-0.95) 5(1.1,0) 6(1.1,0.95)
TDSON-8-1
  rect 1.2x1.55 smd: (-0.75,1.09) (-0.75,-1.09)
  rect 1.6x1.55 smd: (1.25,1.09) (1.25,-1.09)
  rect 0.8x0.7 smd: 1(-2.75,1.91) 2(-2.75,0.64) 3(-2.75,-0.64) 4(-2.75,-1.91) 5(2.75,1.91) 5(2.75,0.64) 5(2.75,-0.64) 5(2.75,-1.91)
  rect 4.29x4.5 smd: 5(0.5,0)
TL1105
  round 1.7 hole 1: 1(-2.25,3.25) 1(-2.25,-3.25) 2(2.25,3.25) 2(2.25,-3.25)
TQFP-48_7x7mm_P0.5mm
  rect 1.3x0.25 smd: 1(-4.35,2.75) 2(-4.35,2.25) 3(-4.35,1.75) 4(-4.35,1.25) 5(-4.35,0.75) 6(-4.35,0.25) 7(-4.35,-0.25) 8(-4.35,-0.75) 9(-4.35,-1.25) 10(-4.35,-1.75) 11(-4.35,-2.25) 12(-4.35,-2.75) 25(4.35,-2.75) 26(4.35,-2.25) 27(4.35,-1.75) 28(4.35,-1.25) 29(4.35,-0.75) 30(4.35,-0.25) 31(4.35,0.25) 32(4.35,0.75) 33(4.35,1.25) 34(4.35,1.75) 35(4.35,2.25) 36(4.35,2.75)
  rect 0.25x1.3 smd: 13(-2.75,-4.35) 14(-2.25,-4.35) 15(-1.75,-4.35) 16(-1.25,-4.35) 17(-0.75,-4.35) 18(-0.25,-4.35) 19(0.25,-4.35) 20(0.75,-4.35) 21(1.25,-4.35) 22(1.75,-4.35) 23(2.25,-4.35) 24(2.75,-4.35) 37(2.75,4.35) 38(2.25,4.35) 39(1.75,4.35) 40(1.25,4.35) 41(0.75,4.35) 42(0.25,4.35) 43(-0.25,4.35) 44(-0.75,4.35) 45(-1.25,4.35) 46(-1.75,4.35) 47(-2.25,4.35) 48(-2.75,4.35)
TSOT-23-6
  rect 1.22x0.62 smd: 1(-1.31,0.95) 2(-1.31,0) 3(-1.31,-0.95) 4(1.31,-0.95) 5(1.31,0) 6(1.31,0.95)
TSSOP-8_3x3mm_P0.65mm
  rect 1.1x0.4 smd: 1(-2.15,0.975) 2(-2.15,0.325) 3(-2.15,-0.325) 4(-2.15,-0.975) 5(2.15,-0.975) 6(2.15,-0.325) 7(2.15,0.325) 8(2.15,0.975)
TSSOP-14_4.4x5mm_P0.65mm
  rect 1.45x0.45 smd: 1(-2.95,1.95) 2(-2.95,1.3) 3(-2.95,0.65) 4(-2.95,0) 5(-2.95,-0.65) 6(-2.95,-1.3) 7(-2.95,-1.95) 8(2.95,-1.95) 9(2.95,-1.3) 10(2.95,-0.65) 11(2.95,0) 12(2.95,0.65) 13(2.95,1.3) 14(2.95,1.95)
TSSOP-16_4.4x5mm_P0.65mm
  rect 1.5x0.45 smd: 1(-2.95,2.275) 2(-2.95,1.625) 3(-2.95,0.975) 4(-2.95,0.325) 5(-2.95,-0.325) 6(-2.95,-0.975) 7(-2.95,-1.625) 8(-2.95,-2.275) 9(2.95,-2.275) 10(2.95,-1.625) 11(2.95,-0.975) 12(2.95,-0.325) 13(2.95,0.325) 14(2.95,0.975) 15(2.95,1.625) 16(2.95,2.275)
TSSOP-20_4.4x6.5mm_P0.65mm
  rect 1.45x0.45 smd: 1(-2.95,2.925) 2(-2.95,2.275) 3(-2.95,1.625) 4(-2.95,0.975) 5(-2.95,0.325) 6(-2.95,-0.325) 7(-2.95,-0.975) 8(-2.95,-1.625) 9(-2.95,-2.275) 10(-2.95,-2.925) 11(2.95,-2.925) 12(2.95,-2.275) 13(2.95,-1.625) 14(2.95,-0.975) 15(2.95,-0.325) 16(2.95,0.325) 17(2.95,0.975) 18(2.95,1.625) 19(2.95,2.275) 20(2.95,2.925)
TSSOP-24_4.4x7.8mm_P0.65mm
  rect 1.1x0.4 smd: 1(-2.85,3.575) 2(-2.85,2.925) 3(-2.85,2.275) 4(-2.85,1.625) 5(-2.85,0.975) 6(-2.85,0.325) 7(-2.85,-0.325) 8(-2.85,-0.975) 9(-2.85,-1.625) 10(-2.85,-2.275) 11(-2.85,-2.925) 12(-2.85,-3.575) 13(2.85,-3.575) 14(2.85,-2.925) 15(2.85,-2.275) 16(2.85,-1.625) 17(2.85,-0.975) 18(2.85,-0.325) 19(2.85,0.325) 20(2.85,0.975) 21(2.85,1.625) 22(2.85,2.275) 23(2.85,2.925) 24(2.85,3.575)
